# Altium PCB Main_Board.PcbDoc (part 1 of 3) (continued)
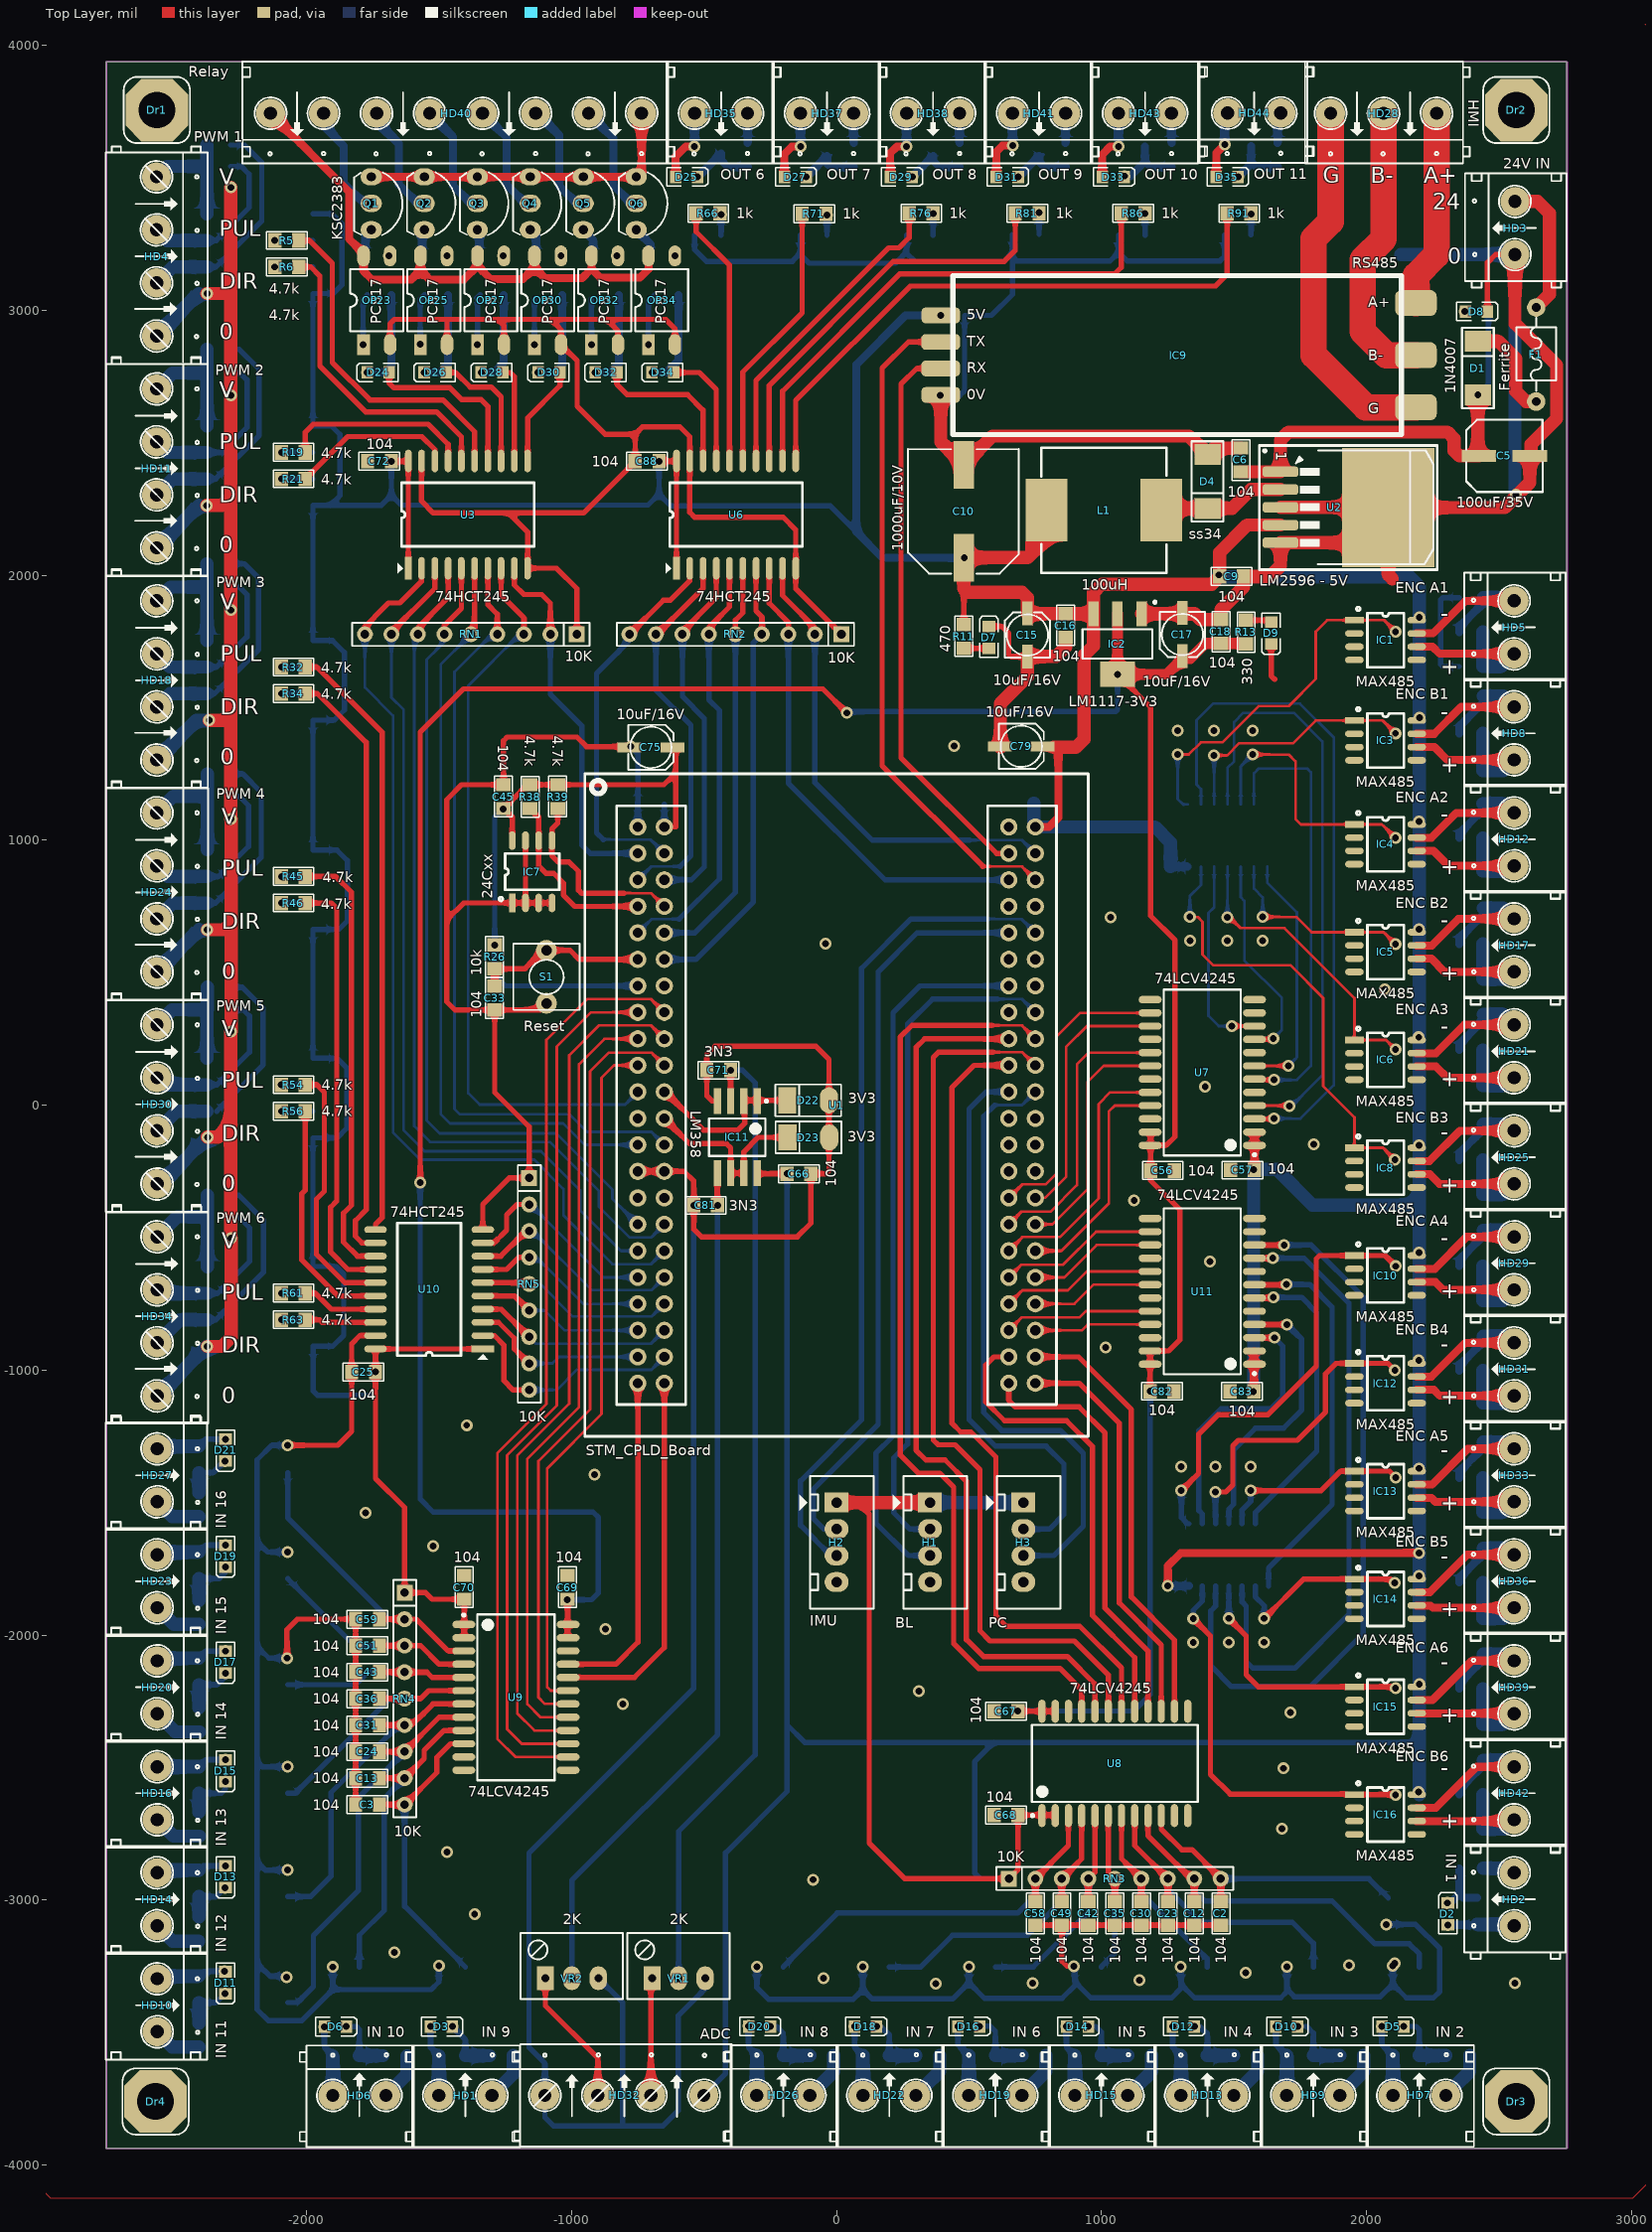
[diagram p0: Top Layer view]
## Components (designator, comment, footprint, x,y, rotation, side; value= is the part's Value field where it differs from the comment) (continued)
IC8 "MAX485" SOIC8 1954.09,-161.1 r0 top
IC9 "RS485" RS485_Module 440,2980 r0 top
IC10 "MAX485" SOIC8 1954.09,-567.92 r0 top
IC11 "LM358" SO8-200mil -375,-121 r270 top
IC12 "MAX485" SOIC8 1954.09,-974.74 r0 top
IC13 "MAX485" SOIC8 1954.09,-1381.55 r0 top
IC14 "MAX485" SOIC8 1954.09,-1788.37 r0 top
IC15 "MAX485" SOIC8 1954.09,-2195.19 r0 top
IC16 "MAX485" SOIC8 1954.09,-2602.01 r0 top
L1 "100uH" INDUCTOR_SMD 1225,2245 r180 top
OP1 "PC817" "SOP4 2.54" 2416.59,-2992.01 r180 bottom
OP2 "PC817" "SOP4 2.54" -1400.91,-3587.4 r90 bottom
OP3 "HCPL2631" 6N137SMD -1975.91,3362.99 r270 bottom
OP4 "PC817" "SOP4 2.54" 2199.09,-3587.01 r90 bottom
OP5 "PC817" "SOP4 2.54" -1800.91,-3587.4 r90 bottom
OP6 "PC817" "SOP4 2.54" 1799.09,-3587.01 r90 bottom
OP7 "PC817" "SOP4 2.54" -2405.91,-3387.01 r0 bottom
OP8 "HCPL2631" 6N137SMD -1975.91,2562.99 r270 bottom
OP9 "PC817" "SOP4 2.54" 1399.09,-3587.01 r90 bottom
OP10 "PC817" "SOP4 2.54" -2405.91,-2987.01 r0 bottom
OP11 "PC817" "SOP4 2.54" 999.09,-3587.01 r90 bottom
OP12 "PC817" "SOP4 2.54" -2405.91,-2597.01 r0 bottom
OP13 "HCPL2631" 6N137SMD -1975.91,1752.99 r270 bottom
OP14 "PC817" "SOP4 2.54" 599.09,-3587.01 r90 bottom
OP15 "PC817" "SOP4 2.54" -2405.91,-2187.01 r0 bottom
OP16 "PC817" "SOP4 2.54" 199.09,-3587.01 r90 bottom
OP17 "PC817" "SOP4 2.54" -2405.91,-1787.01 r0 bottom
OP18 "HCPL2631" 6N137SMD -1975.91,962.61 r270 bottom
OP19 "PC817" "SOP4 2.54" -200.91,-3587.01 r90 bottom
OP20 "PC817" "SOP4 2.54" -2405.91,-1387.01 r0 bottom
OP21 "HCPL2631" 6N137SMD -1975.91,176.61 r270 bottom
OP22 "HCPL2631" 6N137SMD -1975,-610 r270 bottom
OP23 "PC817" "SOP4 2.54" -1785,2870 r90 top
OP24 "PC817" "SOP4 2.54" -435.91,3282.99 r90 bottom
OP25 "PC817" "SOP4 2.54" -1570,2870 r90 top
OP26 "PC817" "SOP4 2.54" -35.91,3282.99 r90 bottom
OP27 "PC817" "SOP4 2.54" -1355,2870 r90 top
OP28 "PC817" "SOP4 2.54" 364.09,3282.99 r90 bottom
OP29 "PC817" "SOP4 2.54" 764.09,3285.99 r90 bottom
OP30 "PC817" "SOP4 2.54" -1140,2870 r90 top
OP31 "PC817" "SOP4 2.54" 1164.09,3282.99 r90 bottom
OP32 "PC817" "SOP4 2.54" -925,2870 r90 top
OP33 "PC817" "SOP4 2.54" 1564.09,3283.99 r90 bottom
OP34 "PC817" "SOP4 2.54" -710,2870 r90 top
Q1 "KSC2383" To-92a -1755.91,3402.99 r270 top
Q2 "KSC2383" To-92a -1555.91,3402.99 r270 top
Q3 "KSC2383" To-92a -1355.91,3402.99 r270 top
Q4 "KSC2383" To-92a -1155.91,3402.99 r270 top
Q5 "KSC2383" To-92a -955.91,3402.99 r270 top
Q6 "KSC2383" To-92a -755.91,3402.99 r270 top
R1 "10k" RES-SM-0805 2350,-2880 r0 bottom
R2 "10k" RES-SM-0805 -1310,-3587 r0 bottom
R3 "10k" RES-SM-0805 2199.09,1785 r180 bottom
R4 "4.7k" RES-SM-0805 -2375.91,3542.49 r0 bottom
R5 "4.7k" RES-SM-0805 -2030,3262.99 r180 top
R6 "4.7k" RES-SM-0805 -2030,3162.99 r180 top
R7 "4.7k" RES-SM-0805 -2375.91,3622.99 r0 bottom
R8 "120" RES-SM-0805 2439.09,1785 r180 bottom
R9 "10k" RES-SM-0805 2299.1,-3587.01 r0 bottom
R10 "10k" RES-SM-0805 -1711,-3588 r0 bottom
R11 "470" RES-SM-0805 480,1813.66 r270 top
R12 "22k" RES-SM-0805 2460,2995 r180 bottom
R13 "330" RES-SM-0805 1545,1740 r90 top
R14 "10k" RES-SM-0805 2199.09,1402.99 r180 bottom
R15 "10k" RES-SM-0805 1899.09,-3587.01 r0 bottom
R16 "10k" RES-SM-0805 -2406,-3464 r270 bottom
R17 "120" RES-SM-0805 2439.09,1402.99 r180 bottom
R18 "4.7k" RES-SM-0805 -2375.91,2762.99 r0 bottom
R19 "4.7k" RES-SM-0805 -2005,2462.99 r180 top
R20 "10k" RES-SM-0805 2199.09,1007.99 r180 bottom
R21 "4.7k" RES-SM-0805 -2005,2362.99 r180 top
R22 "4.7k" RES-SM-0805 -2375.91,2852.99 r0 bottom
R23 "10k" RES-SM-0805 1499.1,-3587.01 r0 bottom
R24 "10k" RES-SM-0805 -2406,-3065 r270 bottom
R25 "120" RES-SM-0805 2439.09,1007.99 r180 bottom
R26 "10k" RES-SM-0805 -1290,604 r270 top
R27 "10k" RES-SM-0805 1099.1,-3587.01 r0 bottom
R28 "10k" RES-SM-0805 -2405,-2669 r270 bottom
R29 "10k" RES-SM-0805 2199.09,607.99 r180 bottom
R30 "4.7k" RES-SM-0805 -2375.91,1954.99 r0 bottom
R31 "120" RES-SM-0805 2439.09,607.99 r180 bottom
R32 "4.7k" RES-SM-0805 -2005,1652.99 r180 top
R33 "10k" RES-SM-0805 699.09,-3587.01 r0 bottom
R34 "4.7k" RES-SM-0805 -2005,1552.99 r180 top
R35 "10k" RES-SM-0805 -2405,-2275 r270 bottom
R36 "4.7k" RES-SM-0805 -2375.91,2042.99 r0 bottom
R37 "10k" RES-SM-0805 2199.09,207.99 r180 bottom
R38 "4.7k" RES-SM-0805 -1157,1119 r90 top
R39 "4.7k" RES-SM-0805 -1052,1209 r270 top
R40 "120" RES-SM-0805 2439.09,207.99 r180 bottom
R41 "10k" RES-SM-0805 299.09,-3587.01 r0 bottom
R42 "10k" RES-SM-0805 -2406,-1870 r270 bottom
R43 "10k" RES-SM-0805 2199.09,-207.01 r180 bottom
R44 "4.7k" RES-SM-0805 -2375,1165 r0 bottom
R45 "4.7k" RES-SM-0805 -2005,862.61 r180 top
R46 "4.7k" RES-SM-0805 -2005,762.61 r180 top
R47 "10k" RES-SM-0805 -100.91,-3587.01 r0 bottom
R48 "10k" RES-SM-0805 -2406,-1463 r270 bottom
R49 "4.7k" RES-SM-0805 -2375,1250 r0 bottom
R50 "120" RES-SM-0805 2439.09,-207.01 r180 bottom
R51 "10k" RES-SM-0805 2199.09,-607.01 r180 bottom
R52 "120" RES-SM-0805 2439.09,-607.01 r180 bottom
R53 "4.7k" RES-SM-0805 -2375,360 r0 bottom
R54 "4.7k" RES-SM-0805 -2005,76.61 r180 top
R55 "10k" RES-SM-0805 2199.09,-1002.01 r180 bottom
R56 "4.7k" RES-SM-0805 -2005,-23.39 r180 top
R57 "4.7k" RES-SM-0805 -2375,445 r0 bottom
R58 "120" RES-SM-0805 2439.09,-1002.01 r180 bottom
R59 "10k" RES-SM-0805 2199.09,-1407.01 r180 bottom
R60 "4.7k" RES-SM-0805 -2375,-421.5 r0 bottom
R61 "4.7k" RES-SM-0805 -2005,-710 r180 top
R62 "120" RES-SM-0805 2439.09,-1407.01 r180 bottom
R63 "4.7k" RES-SM-0805 -2005,-810 r180 top
R64 "1k" RES-SM-0805 -1770.91,3057.99 r0 bottom
R65 "4.7k" RES-SM-0805 -2375,-340 r0 bottom
R66 "1k" RES-SM-0805 -440,3365 r180 top
R67 "4.7k" RES-SM-0805 -335,3540 r90 bottom
R68 "4.7k" RES-SM-0805 -1688.66,3205.99 r180 bottom
R69 "10k" RES-SM-0805 2199.09,-1802.01 r180 bottom
R70 "1k" RES-SM-0805 -1555.91,3057.99 r0 bottom
R71 "1k" RES-SM-0805 -40,3362.99 r180 top
R72 "4.7k" RES-SM-0805 65,3540 r90 bottom
R73 "120" RES-SM-0805 2439.09,-1802.01 r180 bottom
R74 "4.7k" RES-SM-0805 -1473.66,3204.65 r180 bottom
R75 "1k" RES-SM-0805 -1345.91,3057.99 r0 bottom
R76 "1k" RES-SM-0805 364.09,3365 r180 top
R77 "4.7k" RES-SM-0805 465,3540 r90 bottom
R78 "10k" RES-SM-0805 2199.09,-2202.01 r180 bottom
R79 "4.7k" RES-SM-0805 -1258.66,3205.99 r180 bottom
R80 "120" RES-SM-0805 2439.09,-2202.01 r180 bottom
R81 "1k" RES-SM-0805 764.09,3365 r180 top
R82 "4.7k" RES-SM-0805 865,3540 r90 bottom
R83 "1k" RES-SM-0805 -1125.91,3057.99 r0 bottom
R84 "4.7k" RES-SM-0805 -1043.66,3204.65 r180 bottom
R85 "10k" RES-SM-0805 2199.09,-2602.01 r180 bottom
R86 "1k" RES-SM-0805 1164.09,3365 r180 top
R87 "4.7k" RES-SM-0805 1265,3540 r90 bottom
R88 "1k" RES-SM-0805 -910.91,3057.99 r0 bottom
R89 "4.7k" RES-SM-0805 -828.66,3204.65 r180 bottom
R90 "120" RES-SM-0805 2439.09,-2602.01 r180 bottom
R91 "1k" RES-SM-0805 1564.09,3365 r180 top
R92 "4.7k" RES-SM-0805 1665,3540 r90 bottom
R93 "1k" RES-SM-0805 -685.91,3057.99 r0 bottom
R94 "4.7k" RES-SM-0805 -611.91,3205.99 r180 bottom
RN1 "10K" RN8 -980,1777 r180 top
RN2 "10K" RN8 18.09,1777 r180 top
RN3 "10K" RN8 650,-2919.33 r0 top
RN4 "10K" RN8 -1630,-1840 r270 top
RN5 "10K" RN8 -1160,-275 r270 top
S1 "Reset" SW2 -1095,384 r90 top
U1 "STM_CPLD_Board" STM_CPLD_Board -750,1050 r0 top
U2 "LM2596 - 5V" TO263 1675,2390 r270 top
U3 "74HCT245" soic20 -1616,2026 r90 top
U4 "74HC14" SOIC14 1325,1135 r270 bottom
U5 "74HC14" SOIC14 1330,-1580 r270 bottom
U6 "74HCT245" soic20 -604,2026 r90 top
U7 "74LCV4245" "SOIC24 - wide" 1380,122.99 r180 top
U8 "74LCV4245" "SOIC24 - wide" 1050,-2484.33 r90 top
U9 "74LCV4245" "SOIC24 - wide" -1210,-2235 r0 top
U10 "74HCT245" soic20 -1335,-920 r180 top
U11 "74LCV4245" "SOIC24 - wide" 1380,-702.92 r180 top
VR1 "2K" VR1 -696,-3295 r0 top
VR2 "2K" VR1 -1099,-3295 r0 top

## Footprints (in the part's own frame and the unit in brackets; to place one, negate y for a bottom-side part, rotate by r counter-clockwise, add the part's x,y. Pads: shape width x height; smd on the part's side, far side on the other; paste and mask are expansions set on the pad)
6N137SMD [mil] "8 PIN, W 400mil, Pin to pin 100mil"
  rect 60x120 smd: 1(0,0)
  oval 60x120 smd: 2(100,0) 3(200,0) 4(300,0) 5(300,400) 6(200,400) 7(100,400) 8(0,400)
  silkscreen extent -50,-75 350,475, body extent -45,-3 345,403, height 200
CAP-SM-0805 [mil]
  rect 50x55 smd: 1(0,0) 2(90,0)
  silkscreen extent -32,-34 121,33, body extent 6,-18 84,17, height 47
CAP_ALU_B [mil] "10uF -> 22uF"
  rect 90x38 smd: 1(0,0) 2(162,0)
  silkscreen extent -4,-85 166,85, body extent -10,-85 172,85, height 213
Cap_Alu_D8 [mil] "100uF -> 220uF"
  rect 130x45 smd: 1(34,0) 2(226,0)
  silkscreen extent -14,-136 275,136, body extent -8,-130 268,130, height 303
Cap_Alu_G [mil]
  rect 180x78 smd: 1(334,0) 2(-16,0)
  silkscreen extent -75,-210 394,208, body extent -68,-204 388,202, height 402
"Diode zener" [mm] "Silicon Planar Zener Diodes"
  oval 1.75x2.5 smd: 1(4,0)
  rect 1.75x2.5 smd: 2(0,0)
  silkscreen extent -1.14,-1.52 5.16,1.52
DO-214AB [mm]
  rect 2x2.54 smd: 1(-2.616,0.127) 2(2.54,0.127)
  silkscreen extent -3.89,-1.4 3.81,1.65, body extent -2.62,-1.27 2.87,1.52, height 2.36
"Domino 2" [mil] "Domino 2, 2 pin, hight 300mil, Pin to Pin 200, Colour Green"
  round 110 hole 50: 1(0,0) 2(200,0)
  silkscreen extent -125,-194 306,188, body extent -121,-190 301,184, height 591
"Domino 3" [mil] "Domino 3, 3 pin, height 300mil, Pin to Pin 200, Colour Green"
  round 110 hole 50: 1(0,0) 2(200,0) 3(400,0)
  silkscreen extent -125,-194 496,189, body extent -121,-191 492,184, height 591
"Domino 4" [mil] "Domino 4, 4 pin, height 300mil, Pin to Pin 200, Colour Green"
  round 110 hole 50: 1(0,0) 2(200,0) 3(400,0.06) 4(600,0.39)
  silkscreen extent -115,-193 706,193, body extent -110,-187 700,187, height 591
"Domino 8" [mil] "Domino 8, 8 pin, height 300mil, Pin to Pin 200, Colour Green"
  round 110 hole 50: 1(0,0) 2(200,0) 3(400,0) 4(600,0) 5(800,0) 6(1000,0) 7(1200,0) 8(1400,0)
  silkscreen extent -125,-194 1506,189, body extent -121,-190 1501,184, height 591
"Drill 3mm" [mm]
  oct 6x6 hole 3.5: 1(0,0)
  silkscreen extent -3.17,-3.17 3.17,3.17
Ferrite [mil] "Ferrite Bead RH3.5x6x0.8"
  round 70 hole 33.46: 1(0,0) 2(355,0)
  silkscreen extent 39,-75 314,75, body extent -12,-71 368,71, height 150
"Header White 4" [mil] "JST Connector"
  rect 75x90 hole 40: 1(0,0)
  oval 75x90 hole 40: 2(100,0) 3(200,0) 4(300,0)
  silkscreen extent -100,-140 400,140, body extent -94,-94 394,133, height 276
INDUCTOR_SMD [mm] "100uH/3A SMD 12x12x8mm inductor"
  rect 4x6 smd: 1(0,0) 2(11,0)
  silkscreen extent -0.5,-6 11.5,6, body extent -0.5,-6 11.5,6, height 10
LED_0805_Blue [mm] "Chip LED, 2-Leads, Body 2.0x1.3mm, IPC Medium Density"
  rect 1.1x1.2 smd: 1(-1.05,0) 2(1.05,0)
  silkscreen extent -1.91,-0.89 2.03,0.89, body extent -1.01,-0.62 1.01,0.63, height 1.1
RES-SM-0805 [mil]
  rect 50x55 smd: 1(0,0) 2(90,0)
  silkscreen extent -32,-34 121,33, body extent 6,-25 84,24, height 10
RN8 [mil] "R SIP8, 9 Pin"
  rect 60x60 hole 32: 1(0,0)
  round 60 hole 32: 2(100,0) 3(200,0) 4(300,0) 5(400,0) 6(500,0) 7(600,0) 8(700,0) 9(800,0)
  silkscreen extent -48,-43 847,44, body extent -43,-25 843,24, height 219
RS485_Module [mm] "Module RS485 Batfun"
  rrect50% 3.683x1.5 smd: 1(-1.194,0) 2(-1.194,-2.54) 3(-1.194,-5.08) 4(-1.194,-7.62)
  rrect50% 4x2.5 smd: 5(44.346,-8.81) 6(44.346,-3.81) 7(44.346,1.19)
  silkscreen extent -0.03,-11.43 42.95,3.81
SO8-200mil [mm] "8-Pin Plastic Medium Body Small Outline Package 1.27 mm Pitch, IPC Low Density"
  rect 2.5x0.7 smd: 1(-3.45,1.905) 2(-3.45,0.635) 3(-3.45,-0.635) 4(-3.45,-1.905) 5(3.45,-1.905) 6(3.45,-0.635) 7(3.45,0.635) 8(3.45,1.905)
  silkscreen extent -3.57,-2.7 1.8,2.93, body extent -3.05,-2.4 2.95,2.5, height 1.7
SOIC8 [mil]
  rect 70x25 smd: 1(0,0)
  oval 70x25 smd: 2(0,-50) 3(0,-100) 4(0,-150) 5(235,-150) 6(235,-100) 7(235,-50) 8(235,0)
  silkscreen extent 8,-178 187,50, body extent -1,-171 235,21, height 69
SOIC14 [mil]
  rect 70x25 smd: 1(0,0)
  oval 70x25 smd: 2(0,-50) 3(0,-100) 4(0,-150) 5(0,-200) 6(0,-250) 7(0,-300) 8(235,-300) 9(235,-250) 10(235,-200) 11(235,-150) 12(235,-100) 13(235,-50) 14(235,0)
  silkscreen extent -20,-325 165,40, body extent -1,-323 235,23, height 67
soic20 [mil]
  rect 85x25 smd: 1(0,0)
  oval 85x25 smd: 2(0,-50) 3(0,-100) 4(0,-150) 5(0,-200) 6(0,-250) 7(0,-300) 8(0,-350) 9(0,-400) 10(0,-450) 11(405,-450) 12(405,-400) 13(405,-350) 14(405,-300) 15(405,-250) 16(405,-200) 17(405,-150) 18(405,-100) 19(405,-50) 20(405,0)
  silkscreen extent -20,-475 323,40, body extent 0,-473 410,23, height 102
"SOIC24 - wide" [mm] "SOIC, 24-Leads, Body 15.4x7.5mm, Pitch 1.27mm, IPC Low Density"
  oval 2.2x0.7 smd: 1(-5,6.985) 2(-5,5.715) 3(-5,4.445) 4(-5,3.175) 5(-5,1.905) 6(-5,0.635) 7(-5,-0.635) 8(-5,-1.905) 9(-5,-3.175) 10(-5,-4.445) 11(-5,-5.715) 12(-5,-6.985) 13(5,-6.985) 14(5,-5.715) 15(5,-4.445) 16(5,-3.175) 17(5,-1.905) 18(5,-0.635) 19(5,0.635) 20(5,1.905) 21(5,3.175) 22(5,4.445) 23(5,5.715) 24(5,6.985)
  silkscreen extent -5.13,-7.95 3.7,8.01, body extent -5.15,-7.8 5.15,7.8, height 2.65
"SOP4 2.54" [mm]
  rect 2x1.2 smd: 1(0,0)
  oval 2x1.2 smd: 2(0,-2.54) 3(8.5,-2.54) 4(8.5,0)
  silkscreen extent 1.3,-3.81 7.24,1.27, body extent -0.78,-3.56 9.22,1.02, height 3.85
SOT223-4N [mm] "SOT223, 4-Leads, Body 6.5x3.5mm, Pitch 2.3mm, Lead Span 7mm, IPC Medium Density"
  rect 2.4x1 smd: 1(-2.9,2.3) 2(-2.9,0) 3(-2.9,-2.3)
  rect 2.4x3.3 smd: 4(2.9,0)
  silkscreen extent -4.14,-3.35 1.4,3.71, body extent -3.39,-3.27 3.5,3.23, height 1.72
STM_CPLD_Board [mil] "Stm32f4 and Max2 520 on one board"
  round 65 hole 38: 1(0,0) 2(0,-100) 3(0,-200) 4(0,-300) 5(0,-400) 6(0,-500) 7(0,-600) 8(0,-700) 9(0,-800) 10(0,-900) 11(0,-1000) 12(0,-1100) 13(0,-1200) 14(0,-1300) 15(0,-1400) 16(0,-1500) 17(0,-1600) 18(0,-1700) 19(0,-1800) 20(0,-1900) 21(0,-2000) 22(0,-2100) 23(100,-2100) 24(100,-2000) 25(100,-1900) 26(100,-1800) 27(100,-1700) 28(100,-1600) 29(100,-1500) 30(100,-1400) 31(100,-1300) 32(100,-1200) 33(100,-1100) 34(100,-1000) 35(100,-900) 36(100,-800) 37(100,-700) 38(100,-600) 39(100,-500) 40(100,-400) 41(100,-300) 42(100,-200) 43(100,-100) 44(100,0) 45(1400,0) 46(1400,-100) 47(1400,-200) 48(1400,-300) 49(1400,-400) 50(1400,-500) 51(1400,-600) 52(1400,-700) 53(1400,-800) 54(1400,-900) 55(1400,-1000) 56(1400,-1100) 57(1400,-1200) 58(1400,-1300) 59(1400,-1400) 60(1400,-1500) 61(1400,-1600) 62(1400,-1700) 63(1400,-1800) 64(1400,-1900) 65(1400,-2000) 66(1400,-2100) 67(1500,-2100) 68(1500,-2000) 69(1500,-1900) 70(1500,-1800) 71(1500,-1700) 72(1500,-1600) 73(1500,-1500) 74(1500,-1400) 75(1500,-1300) 76(1500,-1200) 77(1500,-1100) 78(1500,-1000) 79(1500,-900) 80(1500,-800) 81(1500,-700) 82(1500,-600) 83(1500,-500) 84(1500,-400) 85(1500,-300) 86(1500,-200) 87(1500,-100) 88(1500,0)
  silkscreen extent -200,-2300 1700,200
SW2 [mm] "SW button 2pin, 250x 250 mil"
  round 2 hole 1: 1(0,0) 2(5.08,0)
  silkscreen extent -0.64,-3.17 5.71,3.18, body extent -0.51,-3.05 5.59,3.05, height 4.2
TO263 [mm]
  rect 11.43x8.89 smd: 0(3.429,10.338)
  rrect50% 1x3.4 smd: 1(0,0) 2(1.7,0) 4(5.1,0) 5(6.8,0)
  rrect50% 1x3.4 smd mask+0: 3(3.4,0)
  silkscreen extent -2.51,-2.03 9.37,15.01, body extent -1.68,-0.86 8.48,13.78, height 4.57
To-92a [mil] "TO-92"
  oval 65x80 hole 35: 1(-100,0) 2(0,0) 3(100,0)
  silkscreen extent -117,-65 120,118, body extent -109,-66 109,95, height 245
VR1 [mil] "Variable Resistor"
  rect 65x90 hole 30: 1(0,0)
  oval 65x90 hole 30: 2(100,0) 3(200,0)
  silkscreen extent -94,-79 292,171, body extent -89,-74 287,166, height 455

## Part data
C1 C2 C3 C4 C6 C7 C8 C9 C11 C12 C13 C14 C16 C18 C19 C20 C21 C22 C23 C24 C25 C26 C27 C28 C29 C30 C31 C32 C33 C34 C35 C36 C37 C38 C39 C40 C41 C42 C43 C44 C45 C46 C47 C48 C49 C50 C51 C52 C53 C54 C55 C56 C57 C58 C59 C60 C61 C62 C63 C64 C65 C67 C68 C69 C70 C72 C73 C74 C76 C77 C78 C80 C82 C83 C84 C85 C86 C87 C88 C89 C90 C91 C92 C93 C94 C95 C96 C97 C98 C99 C100 C101: library part CAP_SM_0805, "Ceramic Capacitor SMD"
C5 C10: library part Cap_SM_Alu, "SMD Aluminum Electrolytic Capacitor"
C15 C17 C75 C79: library part CP2, "C 47uF/50V , 220uF/16V"
C66 C71 C81: library part CN
D1: library part Diode, "General Rectifier"
D2 D3 D5 D6 D7 D8 D9 D10 D11 D12 D13 D14 D15 D16 D17 D18 D19 D20 D21 D24 D25 D26 D27 D28 D29 D30 D31 D32 D33 D34 D35: library part LED_SMD, "LED SMD"
D4: "Surface Mount Schottky Barrier Rectifier"
D22 D23: library part "D Zener", "Silicon Planar Zener Diodes"
Dr1 Dr2 Dr3 Dr4: library part "Drill 3mm", "Drill 3mm"
F1: library part "Ferrite bead", "Ferrite bead"
H1 H2 H3: library part "Header white 4", "Header white 4"
HD1 HD2 HD3 HD5 HD6 HD7 HD8 HD9 HD10 HD12 HD13 HD14 HD15 HD16 HD17 HD19 HD20 HD21 HD22 HD23 HD25 HD26 HD27 HD29 HD31 HD33 HD35 HD36 HD37 HD38 HD39 HD41 HD42 HD43 HD44: library part "Domino 2", "Domino 2 200mil"
HD4 HD11 HD18 HD24 HD30 HD32 HD34: library part "Domino 4", "Domino 4 200mil"
HD28: library part "Domino 3", "Domino 3 200mil"
HD40: library part "Domino 8", "Domino 8 200mil"
IC1 IC3 IC4 IC5 IC6 IC8 IC10 IC12 IC13 IC14 IC15 IC16: "RS232 - RS485 (Same sn75176)"
IC2: library part LM1117, "Available in 1.8V, 2.5V, 2.85V, 3.3V, 5V, and  Adjustable Versions"
IC7: "Standard 2-Wire Bus Interface Serial EEPROM"
IC9: library part RS485_Module, "Module RS485"
IC11: "Low-Power Dual Operational Amplifier"
L1: library part L1, "Inductor"
OP1 OP2 OP4 OP5 OP6 OP7 OP9 OP10 OP11 OP12 OP14 OP15 OP16 OP17 OP19 OP20 OP23 OP24 OP25 OP26 OP27 OP28 OP29 OP30 OP31 OP32 OP33 OP34: "OPTO"
OP3 OP8 OP13 OP18 OP21 OP22: "High CMR, High Speed TTL Compatible Optocouplers"
Q1 Q2 Q3 Q4 Q5 Q6: "Bipolar Small Signal NPN Epitaxial Transistor"
R1 R2 R3 R4 R5 R6 R7 R8 R9 R10 R11 R12 R13 R14 R15 R16 R17 R18 R19 R20 R21 R22 R23 R24 R25 R26 R27 R28 R29 R30 R31 R32 R33 R34 R35 R36 R37 R38 R39 R40 R41 R42 R43 R44 R45 R46 R47 R48 R49 R50 R51 R52 R53 R54 R55 R56 R57 R58 R59 R60 R61 R62 R63 R64 R65 R66 R67 R68 R69 R70 R71 R72 R73 R74 R75 R76 R77 R78 R79 R80 R81 R82 R83 R84 R85 R86 R87 R88 R89 R90 R91 R92 R93 R94: library part Res-SMD, "Resistor"
RN1 RN2 RN3 RN4 RN5: library part RN8, "Resistor 8 (Thanh)"
S1: library part "SW - 2Pin", "Switch button 2 pin"
U1: "STM32f4 and Max2 570 on one board"
U2: library part LM2596, "SIMPLE SWITCHER® Power Converter 150-kHz - 3A Step-Down Voltage Regulator"
U3 U6 U10: library part 74HC245, "Octal bus tranceiver"
U4 U5: "Hex Inverters With SCHMITT-TRIGGER Inputs"
U7 U8 U9 U11: "Octal dual supply translating transceiver; 3-state"
VR1 VR2: library part VR1, "Var Resistor"

## Via types
v1: diameter 45, hole 26, Top Layer to Bottom Layer, 226 vias

## Nets (pads, with @x,y where several pads share a name; then routed paths per layer and width w, separated by ;. In a path a pad name is that pad's centre, name@x,y a point inside that pad or via, vN(x,y) a via of type N, cw(c..) or ccw(c..) an arc to the next point about the centre after c; other vN are vias at no path point)
3V3: C17.1 C18.1 C45.2 C56.2 C67.2 C69.2 C75.1 C76.1 C82.2 IC2.2 IC2.4 IC7.8 R13.1 R26.1 R38.2 R39.1 U1.7 U1.44 U7.23 U7.24 U8.23 U8.24 U9.23 U9.24 U11.23 U11.24 | length 15113.7
  Top Layer w20: v1(-1571,-292) -1571,1408 -1408,1571 -52,1571 v1(39,1480) ; IC7.8@-1224,998 -1224,1086 C45.2@-1257,1119 -1167,1209 R38.2@-1157,1209 R39.1@-1052,1209 -652,1209 -607,1254 ; U9.23@-1015,-2008.15 C69.2@-1015,-1870 ; U1.44@-650,1050 -607,1050 -607,1254 ; C75.1@-620,1350 -607,1337 -607,1254 ; C67.2@685,-2287.48 U8.24@775,-2287.48 U8.23@825,-2287.48 ; v1(1060,1625.83) 1185,1500.83 1185,714 1277,622 1277,-119 1243.99,-152.01 U7.24@1185,-152.01 ; v1(1183,-1080) U11.23@1183,-928.07 ; U11.23@1183.15,-927.92 1253.08,-927.92 1296,-885 1296,-396 1185,-285 C56.2@1185,-247.01 U7.24@1185,-152.01 ; U7.24@1183.15,-152.01 U7.24@1185,-152.01 ; U7.23@1185,-103.86 U7.24@1185,-152.01
  Top Layer w40: IC2.2@1060,1854.17 v1(1060,1625.83) 1245.83,1625.83 1305,1685 1335,1685 1392,1742 C18.1@1450,1742 R13.1@1543,1742
  Bottom Layer w20: v1(-1571,-292) -1571,-1487 -1522,-1536 -919,-1536 -899,-1556 -899,-1841 -925,-1867 v1(-1016,-1867) ; v1(-1259,1118) -1290,1087 v1(-1290,604) -1290,490 -1250,450 U1.7@-750,450 ; U1.44@-650,1050 C76.1@-650,1135 ; v1(39,1480) 44,1485 1053,1485 1060,1492 v1(1060,1625.83) ; v1(684,-2286.48) 1121.52,-2286.48 1183,-2225 v1(1183,-1080)
5V: C8.1 C9.2 C10.1 C15.1 C16.1 C19.1 C25.2 C28.1 C29.2 C38.1 C41.2 C47.1 C53.1 C57.2 C60.1 C62.1 C66.1 C68.2 C70.2 C72.2 C74.1 C79.1 C80.1 C83.2 C86.1 C88.2 C91.1 C95.1 C99.1 H1.1 H2.1 H3.1 HD32.4 IC1.8 IC2.3 IC3.8 IC4.8 IC5.8 IC6.8 IC8.8 IC9.1 IC10.8 IC11.8 IC12.8 IC13.8 IC14.8 IC15.8 IC16.8 L1.2 OP3.1 OP3.4 OP8.1 OP8.4 OP13.1 OP13.4 OP18.1 OP18.4 OP21.1 OP21.4 OP22.1 OP22.4 R3.1 R11.1 R14.1 R20.1 R29.1 R37.1 R43.1 R51.1 R55.1 R59.1 R69.1 R78.1 R85.1 RN3.1 RN4.1 U1.88 U2.4 U3.1 U3.20 U4.14 U5.14 U6.1 U6.20 U7.1 U7.2 U8.1 U8.2 U9.1 U9.2 U10.1 U10.20 U11.1 U11.2 | length 34457
  Top Layer w20: C72.2@-1680,2430 U3.20@-1617,2430 ; U3.1@-1616,2026 U3.20@-1616,2431 ; U9.2@-1405,-2008.15 C70.2@-1405,-1865 -1526,-1865 -1551,-1840 RN4.1@-1630,-1840 -1630,-1519 -1740,-1409 v1(-1740,-1007) U10.20@-1740,-920 U10.1@-1335,-920 ; v1(-670,2430) -605,2430 U6.20@-604,2431 U6.1@-604,2026 ; HD32.4@-500.91,-3737.01 HD32.4@-500.91,-3728.91 ; IC11.8@-297.83,-259 v1(-187,-259) ; 80,-1500 123,-1543 123,-2785 257.33,-2919.33 RN3.1@650,-2919.33 685,-2884.33 C68.2@685,-2679.33 U8.2@823.15,-2679.33 ; R11.1@480,1813.66 480,1950
  Top Layer w30: U1.88@750,1050 802,1050 837,1085 837,1350 ; C79.1@780,1350 C79.1@819,1350 ; v1(1250,-1815) 1250,-1739 1299,-1690 v1(2198,-1690) ; C83.2@1575,-1080 U11.2@1575,-929.77 ; C57.2@1577,-243 U7.2@1577,-102.16
  Top Layer w50: H2.1@0,-1500 80,-1500 H1.1@352.5,-1500 ; C10.1@480,2065 480,1950 495,1935 700,1935 720,1915 C15.1@720,1855 ; C10.1@482,2066 721,2066 791.93,2136.93 L1.2@791.93,2245 ; C15.1@720.83,1854.17 IC2.3@969.45,1854.17 ; C79.1@819,1350 837,1350 903,1350 934,1381 934,1698 969.45,1733.45 IC2.3@969.45,1854.17 ; C9.2@1445,1995 1415,1965 1000,1965 969.45,1934.45 IC2.3@969.45,1854.17 ; C9.2@1445,2001 1445,2085 1549.21,2189.21 U2.4@1675,2189.21
  Bottom Layer w20: OP3.1@-1975.91,3362.99 -1902.99,3362.99 -1867,3327 -1867,3095 -1899.01,3062.99 OP3.4@-1975.91,3062.99 OP8.1@-1975.91,2562.99 -1905.99,2562.99 -1874,2531 -1874,2300 -1911.01,2262.99 ; v1(-1740,-1007) -1740,-1080 -1755,-1095 -1959,-1095 -1975,-1079 OP22.4@-1975,-910 -1901,-910 -1860,-869 -1860,-637 -1887.91,-609.09 -1975.91,-609.09 OP21.4@-1975.91,-123.39 -1884.39,-123.39 -1848,-87 -1848,140 -1884.61,176.61 OP21.1@-1975.91,176.61 OP18.4@-1975.91,662.61 -1879.39,662.61 -1846,696 -1846,923 -1885.61,962.61 OP18.1@-1975.91,962.61 OP13.4@-1975.91,1452.99 -1895.01,1452.99 -1857,1491 -1857,1708 -1901.99,1752.99 OP13.1@-1975.91,1752.99 OP8.4@-1975.91,2262.99 -1911.01,2262.99 ; v1(-1680,2429) -1680,2302 ; v1(-670,2430) -670,2306 ; HD32.4@-500.91,-3737.01 -419,-3655.1 -419,-2822 -187,-2590 -187,-2338 ; v1(-187,-259) -187,-2338 ; 75,2163 -23,2261 -625,2261 -670,2306 ; RN3.1@650,-2919.33 542.33,-2919.33 521,-2898 521,-2478 594,-2405 ; 2199.09,-2405 594,-2405 ; -1911.01,2262.99 -1719.01,2262.99 -1680,2302 ; -1680,2302 -1642,2264 -712,2264 -670,2306 ; -187,-2338 -120,-2405 594,-2405
  Bottom Layer w30: v1(393,2980) 260,2980 75,2795 75,2163 173,2065 v1(482,2065) ; C41.2@1250,-1817 v1(1250,-1815) U5.14@1330,-1815 ; C29.2@1260,900 U4.14@1325,900
  Bottom Layer w50: H1.1@352.5,-1500 H3.1@705,-1500 ; U1.88@745,1055 C80.1@745,1140 ; U1.88@750,1050 1201,1050 1260,991 C29.2@1260,900 ; v1(1442,2001) 1449,1994 2163,1994 2199.09,1957.91 C8.1@2199.09,1915 R3.1@2199.09,1785 C19.1@2199.09,1542.99 R14.1@2199.09,1402.99 C28.1@2199.09,1137.99 R20.1@2199.09,1007.99 C38.1@2199.09,742.99 R29.1@2199.09,607.99 C47.1@2199.09,342.99 R37.1@2199.09,207.99 C53.1@2199.09,-72.01 R43.1@2199.09,-207.01 2199.09,-377 ; v1(1573,-1081) 1574,-1080 v1(1574,-243) 1662,-243 1796,-377 2199.09,-377 ; R85.1@2199.09,-2602.01 C99.1@2199.09,-2472.01 2199.09,-2405 R78.1@2199.09,-2202.01 C95.1@2199.09,-2072.01 R69.1@2199.09,-1802.01 C91.1@2199.09,-1690 ; C91.1@2199.09,-1672.01 R59.1@2199.09,-1407.01 C86.1@2199.09,-1272.01 R55.1@2199.09,-1002.01 R51.1@2199.09,-607.01 C62.1@2199.09,-472.01 2199.09,-377
  other v1: 2196,-2592 2199,-2185 2198,-1777 2198,-1371 2197,-964 2198,-556 2198,-151 2197,256 2198,664 2198,1071 2200,1462 2199,1841
24V: C5.1 C6.1 D1.2 R12.1 U2.1 | length 1658.3
  Top Layer w50: C6.1@1525,2390 U2.1@1675,2390 1675,2510 1705,2540 2305,2540 2330,2515 2330,2470 2350,2450 C5.1@2424,2450 2420.01,2453.99 v1(2420.01,2680)
  Bottom Layer w20: v1(2420.01,2680) 2460,2719.99 R12.1@2460,2995
485_RX: IC9.3 U1.46 | length 2141
  Top Layer w20: IC9.3@393,2780 302,2780 243,2721 243,1311 604,950 U1.46@650,950
485_TX: IC9.2 U1.86 | length 2518.5
  Top Layer w10: 552,901 699,901 U1.86@750,850
  Top Layer w20: IC9.2@393,2880 271,2880 172,2781 172,1281 552,901
ADC0: D22.2 IC11.1 IC11.2 U1.34 | length 620.9
  Top Layer w20: U1.34@-650,50 -646,50 -502,-94 -372,-94 -346.83,-68.83 -346.83,18 D22.2@-186,18